# Altium PCB Archimajor.PcbDoc (part 9 of 13) (continued)
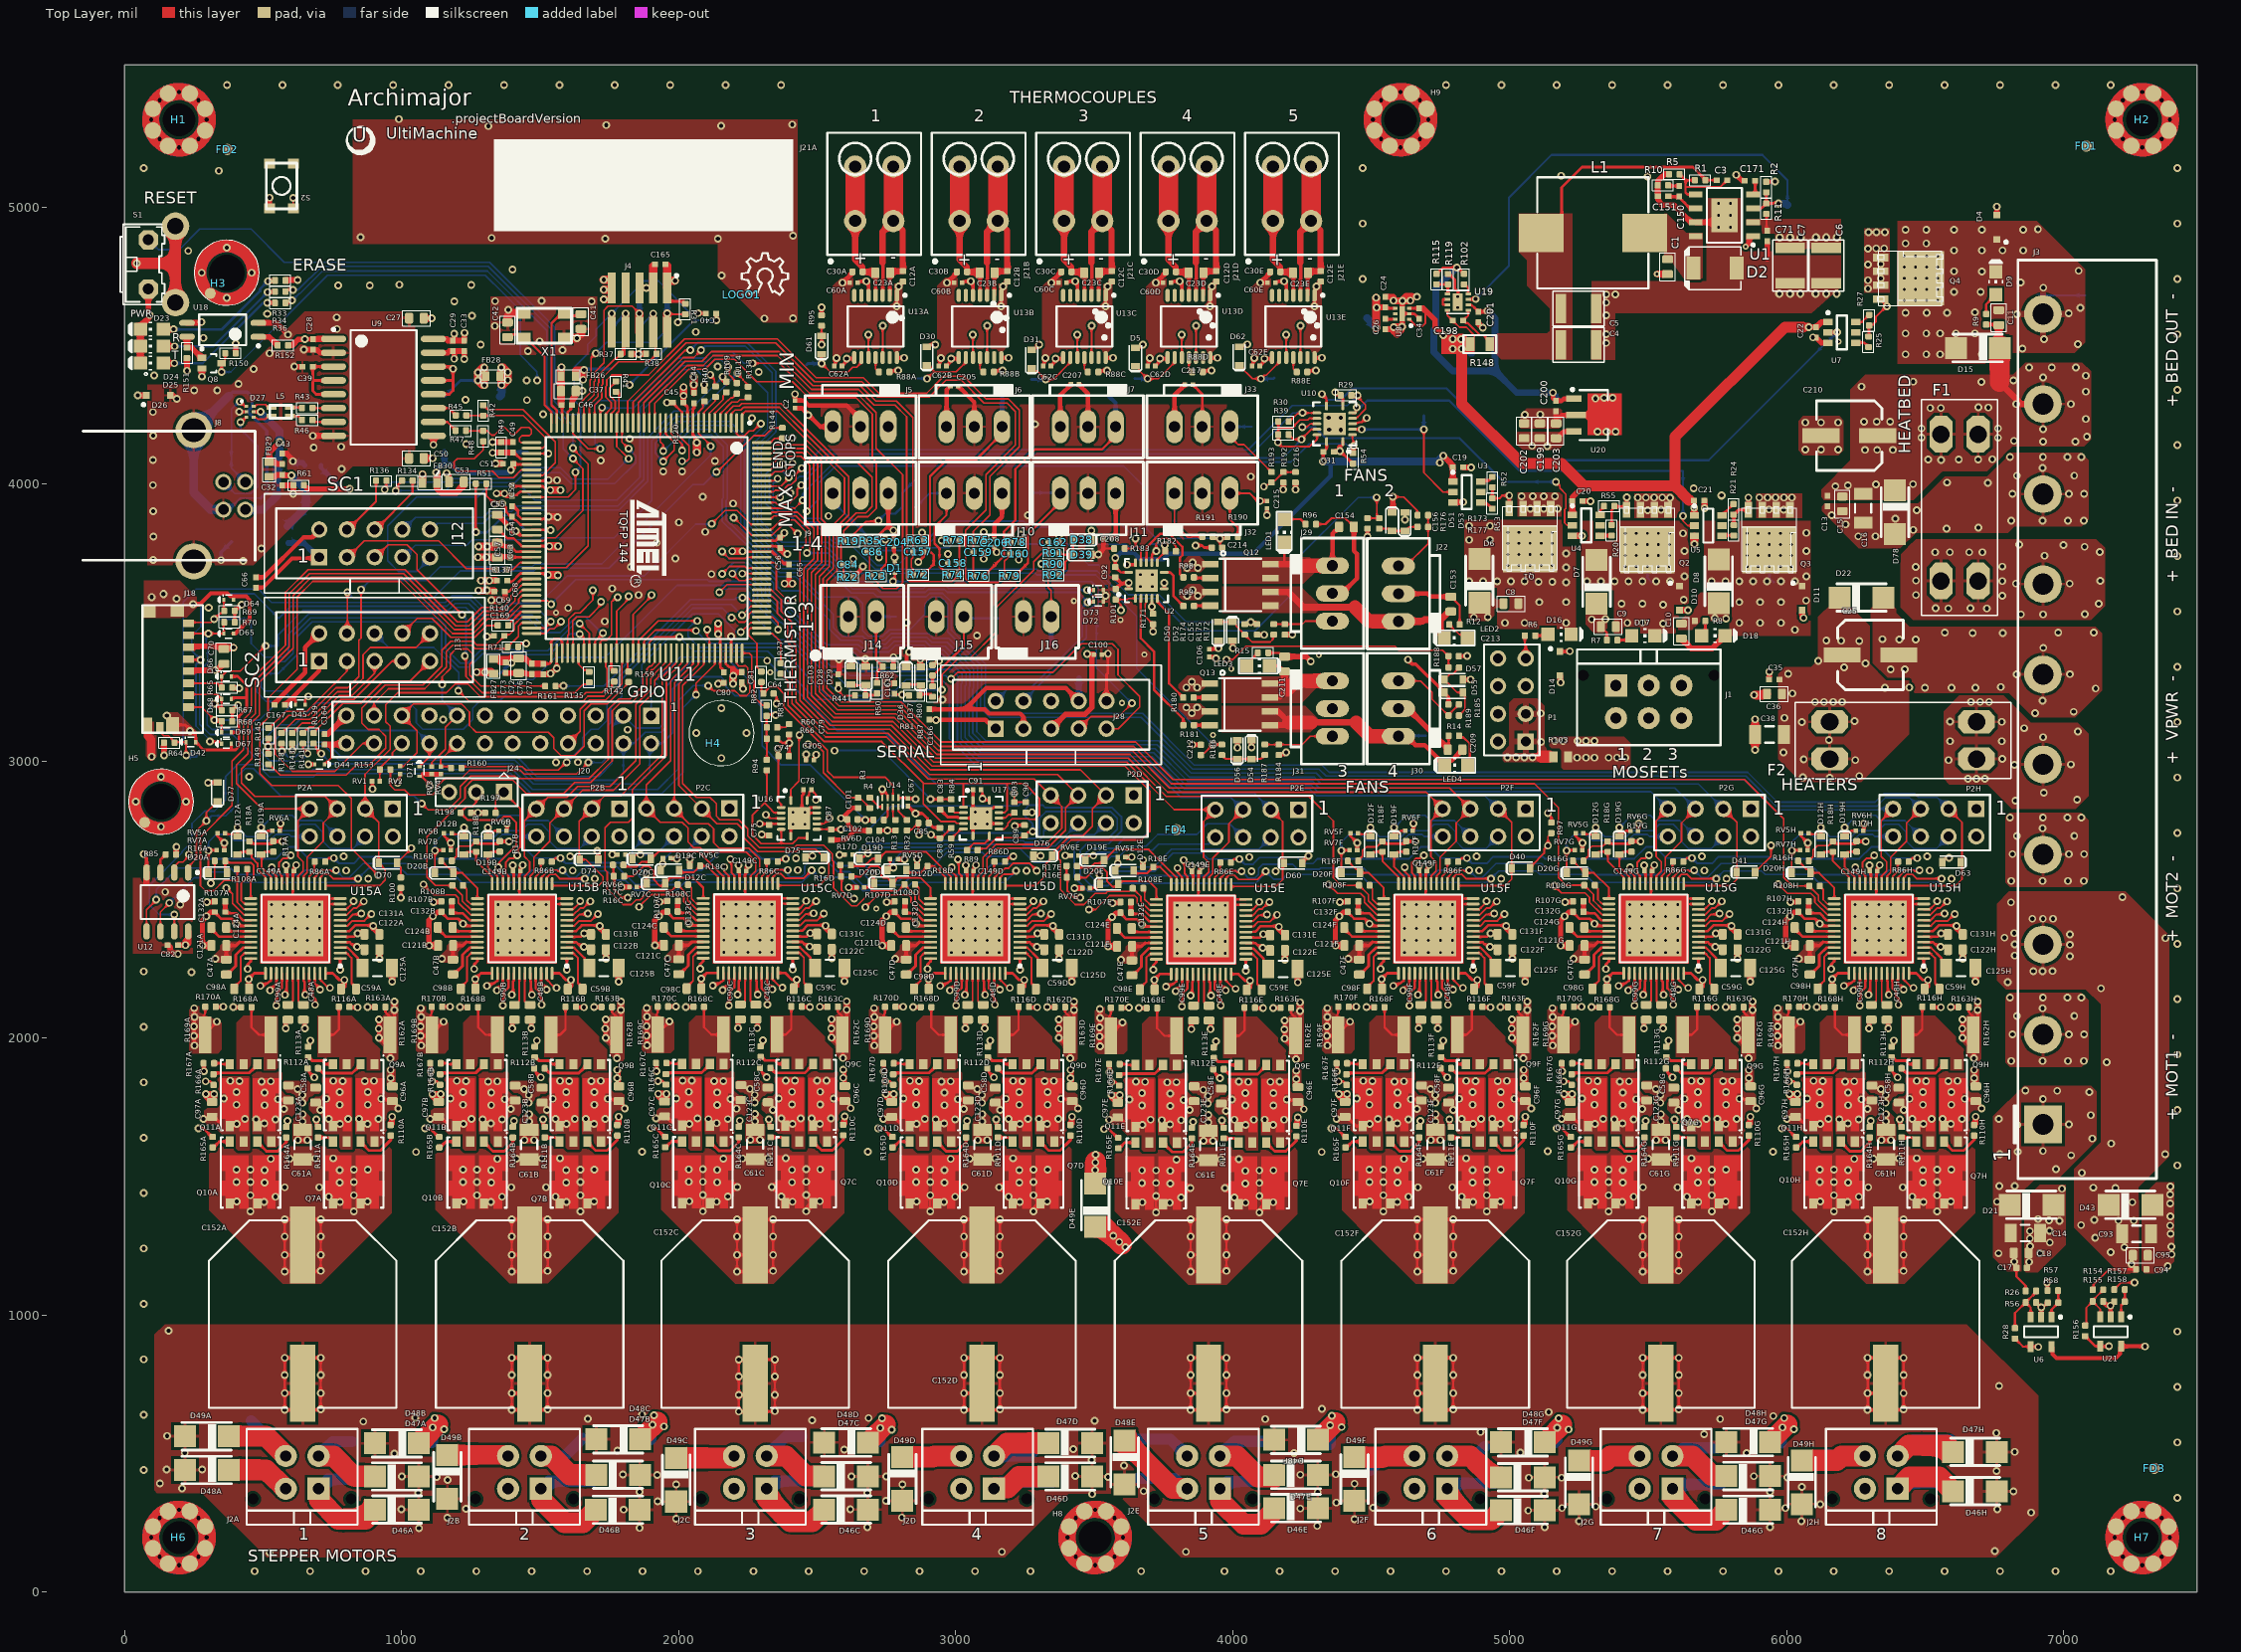
[diagram p0: Top Layer view]
## Nets (pads, with @x,y where several pads share a name; then routed paths per layer and width w, separated by ;. In a path a pad name is that pad's centre, name@x,y a point inside that pad or via, vN(x,y) a via of type N, cw(c..) or ccw(c..) an arc to the next point about the centre after c; other vN are vias at no path point) (continued)
  Bottom Layer w40: TP34H.1@5980.26,537.42 5980.26,589.45 v1(5984.56,593.75)
  other v1: 6025.9,587.51 5990.8,628.07 6121.12,1689.37
OBAA: C59A.2 C96A.2 D47A.K J2A.2 Q7A.1 Q9A.7 TP3A.1 U15A.48 | length 1482.2
  Top Layer w8: v1@847.44,1706.22 865.83,1687.84 876.65,1687.84 v1@876.97,1687.52 ; Q9A.7@852.5,1682.1 857.92,1687.52 v1@876.97,1687.52 ; v1@867.61,1842.85 867.79,1843.03 901.07,1843.03 878.43,1820.39 878.43,1757.22 882.26,1753.39 882.26,1741.28 917.32,1706.22 898.62,1687.52 v1@876.97,1687.52 ; v1@927.01,1778.87 v1@929.07,1776.82 ; v1@930.1,1775.78 v1@929.07,1776.82 ; C96A.2@962.43,1776.82 v1@929.07,1776.82
  Top Layer w9: U15A.48@725.68,2233.68 736.85,2233.68
  Top Layer w10: 736.85,2233.68 751.85,2233.68 776,2209.53 v1(794,2209.53) ; C96A.2@967,1771.76 971.67,1771.76 981.17,1762.25 981.17,1757.58 984.74,1754.01 984.74,1748.92 v1(988.19,1745.47)
  Top Layer w16: C59A.2@782.23,2176.53 794,2188.3 v1(794,2209.53)
  Top Layer w75: J2A.2@700.44,490.94 701.4,489.98 754.9,489.98 826.36,418.52 902.84,418.52 D47A.K@904.84,416.52
  Mid1 w10: v1(794,2209.53) 794,2084.35 906.5,1971.85 983.27,1971.85 1005.91,1949.21 1005.91,1768.11 988.19,1750.39 v1(988.19,1745.47)
  Bottom Layer w40: J2A.2@700.44,490.94 752.38,542.88 TP3A.1@822.12,542.88
  other v1: 876.97,1689.37 847.44,1708.07 917.32,1708.07 878.43,1759.07 927.01,1780.72 878.43,1804.35 867.61,1844.7 901.07,1844.88
OBAB: C59B.2 C96B.2 D47B.K J2B.2 Q7B.1 Q9B.7 TP3B.1 U15B.48 | length 1509.9
  Top Layer w8: v1@1665.35,1706.22 1683.74,1687.84 1694.57,1687.84 v1@1694.88,1687.52 ; Q9B.7@1670.42,1682.1 1675.84,1687.52 v1@1694.88,1687.52 ; v1@1685.52,1842.85 1685.7,1843.03 1718.98,1843.03 1696.35,1820.39 1696.35,1757.22 1700.17,1753.39 1700.17,1741.28 1735.24,1706.22 1716.54,1687.52 v1@1694.88,1687.52 ; v1@1744.92,1778.87 v1@1746.98,1776.82 ; v1@1748.02,1775.78 v1@1746.98,1776.82 ; C96B.2@1780.34,1776.82 v1@1746.98,1776.82
  Top Layer w9: U15B.48@1543.6,2233.68 1554.76,2233.68
  Top Layer w10: 1554.76,2233.68 1569.76,2233.68 1593.91,2209.53 v1(1611.91,2209.53) ; C96B.2@1784.91,1771.76 1789.58,1771.76 1799.09,1762.25 1799.09,1757.58 1802.66,1754.01 1802.66,1748.92 v1(1806.1,1745.47)
  Top Layer w16: C59B.2@1600.14,2176.53 1611.91,2188.3 v1(1611.91,2209.53)
  Top Layer w75: J2B.2@1502.97,490.94 1503.92,489.98 1541.14,489.98 1608.36,422.76 D47B.K@1702.78,422.76
  Mid1 w10: v1(1611.91,2209.53) 1611.91,2084.35 1724.41,1971.85 1801.18,1971.85 1823.82,1949.21 1823.82,1768.11 1806.1,1750.39 v1(1806.1,1745.47)
  Bottom Layer w40: J2B.2@1502.97,490.94 1589.96,490.94 TP3B.1@1654.38,555.36
  other v1: 1694.88,1689.37 1665.35,1708.07 1735.24,1708.07 1696.35,1759.07 1744.92,1780.72 1696.35,1804.35 1685.52,1844.7 1718.98,1844.88
OBAC: C59C.2 C96C.2 D47C.K J2C.2 Q7C.1 Q9C.7 TP3C.1 U15C.48 | length 1500.1
  Top Layer w8: v1@2480.63,1707.18 2499.01,1688.8 2509.84,1688.8 v1@2510.15,1688.48 ; Q9C.7@2485.69,1683.06 2491.11,1688.48 v1@2510.15,1688.48 ; v1@2500.79,1843.81 2500.97,1843.99 2534.26,1843.99 2511.62,1821.35 2511.62,1758.18 2515.44,1754.35 2515.44,1742.24 2550.51,1707.18 2531.81,1688.48 v1@2510.15,1688.48 ; v1@2560.2,1779.83 v1@2562.26,1777.77 ; v1@2563.29,1776.74 v1@2562.26,1777.77 ; C96C.2@2595.61,1777.77 v1@2562.26,1777.77
  Top Layer w9: U15C.48@2358.87,2234.64 2370.03,2234.64
  Top Layer w10: 2370.03,2234.64 2385.03,2234.64 2409.18,2210.49 v1(2427.18,2210.49) ; C96C.2@2600.18,1772.72 2604.86,1772.72 2614.36,1763.21 2614.36,1758.54 2617.93,1754.97 2617.93,1749.88 v1(2621.37,1746.43)
  Top Layer w16: C59C.2@2415.41,2177.49 2427.18,2189.26 v1(2427.18,2210.49)
  Top Layer w75: J2C.2@2318.24,490.94 2388.04,490.94 2459.68,419.3 2524.2,419.3 D47C.K@2526.2,417.3
  Mid1 w10: v1(2427.18,2210.49) 2427.18,2085.31 2539.68,1972.81 2616.45,1972.81 2639.09,1950.17 2639.09,1769.07 2621.37,1751.35 v1(2621.37,1746.43)
  Bottom Layer w40: J2C.2@2318.24,490.94 2388.9,561.6 TP3C.1@2446.86,561.6
  other v1: 2510.15,1690.33 2480.63,1709.03 2550.51,1709.03 2511.62,1760.03 2560.2,1781.68 2511.62,1805.31 2500.79,1845.66 2534.26,1845.84
OBAD: C59D.2 C96D.2 D47D.K J2D.2 Q7D.1 Q9D.7 TP3D.1 U15D.48 | length 1539.8
  Top Layer w8: v1@3301.18,1706.22 3319.57,1687.84 3330.39,1687.84 v1@3330.71,1687.52 ; Q9D.7@3306.24,1682.1 3311.66,1687.52 v1@3330.71,1687.52 ; v1@3321.35,1842.85 3321.53,1843.03 3354.81,1843.03 3332.17,1820.39 3332.17,1757.22 3336,1753.39 3336,1741.28 3371.06,1706.22 3352.36,1687.52 v1@3330.71,1687.52 ; v1@3380.75,1778.87 v1@3382.81,1776.82 ; v1@3383.84,1775.78 v1@3382.81,1776.82 ; C96D.2@3416.17,1776.82 v1@3382.81,1776.82
  Top Layer w9: U15D.48@3179.43,2233.68 3190.59,2233.68
  Top Layer w10: 3190.59,2233.68 3205.59,2233.68 3229.74,2209.53 v1(3247.74,2209.53) ; C96D.2@3420.74,1771.76 3425.41,1771.76 3434.91,1762.25 3434.91,1757.58 3438.48,1754.01 3438.48,1748.92 v1(3441.93,1745.47)
  Top Layer w16: C59D.2@3235.97,2176.53 3247.74,2188.3 v1(3247.74,2209.53)
  Top Layer w75: J2D.2@3138.79,490.94 3185.26,537.41 D47D.K@3335.32,537.41
  Mid1 w10: v1(3247.74,2209.53) 3247.74,2084.35 3360.24,1971.85 3437.01,1971.85 3459.65,1949.21 3459.65,1768.11 3441.93,1750.39 v1(3441.93,1745.47)
  Bottom Layer w40: J2D.2@3138.79,490.94 3264.62,490.94 TP3D.1@3331.38,557.7
  other v1: 3330.71,1689.37 3301.18,1708.07 3371.06,1708.07 3332.17,1759.07 3380.75,1780.72 3332.17,1804.35 3321.35,1844.7 3354.81,1844.88
OBAE: C59E.2 C96E.2 D47E.K J2E.2 Q7E.1 Q9E.7 TP3E.1 U15E.48 | length 1524.2
  Top Layer w8: v1@4116.45,1703.24 4134.84,1684.86 4145.66,1684.86 v1@4145.98,1684.54 ; Q9E.7@4121.51,1679.13 4126.93,1684.54 v1@4145.98,1684.54 ; v1@4136.62,1839.87 4136.8,1840.06 4170.08,1840.06 4147.44,1817.42 4147.44,1754.24 4151.27,1750.42 4151.27,1738.31 4186.33,1703.24 4167.63,1684.54 v1@4145.98,1684.54 ; v1@4196.02,1775.9 v1@4198.08,1773.84 ; v1@4199.11,1772.81 v1@4198.08,1773.84 ; C96E.2@4231.44,1773.84 v1@4198.08,1773.84
  Top Layer w9: U15E.48@3994.7,2230.7 4005.86,2230.7
  Top Layer w10: 4005.86,2230.7 4020.86,2230.7 4045.01,2206.55 v1(4063.01,2206.55) ; C96E.2@4236.01,1768.78 4240.68,1768.78 4250.19,1759.27 4250.19,1754.6 4253.76,1751.03 4253.76,1745.94 v1(4257.2,1742.5)
  Top Layer w16: C59E.2@4051.24,2173.55 4063.01,2185.32 v1(4063.01,2206.55)
  Top Layer w75: J2E.2@3954.07,490.94 3955.02,489.98 4016.08,489.98 4091.45,414.61 4147.64,414.61 D47E.K@4149.64,412.61
  Mid1 w10: v1(4063.01,2206.55) 4063.01,2081.37 4175.51,1968.87 4252.28,1968.87 4274.92,1946.24 4274.92,1765.13 4257.2,1747.42 v1(4257.2,1742.5)
  Bottom Layer w40: J2E.2@3954.07,490.94 4006.79,543.66 TP3E.1@4124.64,543.66
  other v1: 4145.98,1686.39 4116.45,1705.09 4186.33,1705.09 4147.44,1756.09 4196.02,1777.75 4147.44,1801.37 4136.62,1841.72 4170.08,1841.9
OBAF: C59F.2 C96F.2 D47F.K J2F.2 Q7F.1 Q9F.7 TP3F.1 U15F.48 | length 1478.8
  Top Layer w8: v1@4937.01,1706.22 4955.39,1687.84 4966.22,1687.84 v1@4966.54,1687.52 ; Q9F.7@4942.07,1682.1 4947.49,1687.52 v1@4966.54,1687.52 ; v1@4957.17,1842.85 4957.35,1843.03 4990.64,1843.03 4968,1820.39 4968,1757.22 4971.83,1753.39 4971.83,1741.28 5006.89,1706.22 4988.19,1687.52 v1@4966.54,1687.52 ; v1@5016.58,1778.87 v1@5018.64,1776.82 ; v1@5019.67,1775.78 v1@5018.64,1776.82 ; C96F.2@5052,1776.82 v1@5018.64,1776.82
  Top Layer w9: U15F.48@4815.25,2233.68 4826.42,2233.68
  Top Layer w10: 4826.42,2233.68 4841.42,2233.68 4865.57,2209.53 v1(4883.57,2209.53) ; C96F.2@5056.57,1771.76 5061.24,1771.76 5070.74,1762.25 5070.74,1757.58 5074.31,1754.01 5074.31,1748.92 v1(5077.76,1745.47)
  Top Layer w16: C59F.2@4871.79,2176.53 4883.57,2188.3 v1(4883.57,2209.53)
  Top Layer w75: J2F.2@4774.62,490.94 4858.3,490.94 4933.07,416.17 4966.64,416.17 D47F.K@4968.64,414.17
  Mid1 w10: v1(4883.57,2209.53) 4883.57,2084.35 4996.06,1971.85 5072.83,1971.85 5095.47,1949.21 5095.47,1768.11 5077.76,1750.39 v1(5077.76,1745.47)
  Bottom Layer w40: J2F.2@4774.62,490.94 4876.88,490.94 TP3F.1@4910.1,524.16
  other v1: 4966.54,1689.37 4937.01,1708.07 5006.89,1708.07 4968,1759.07 5016.58,1780.72 4968,1804.35 4957.17,1844.7 4990.64,1844.88
OBAG: C59G.2 C96G.2 D47G.K J2G.2 Q7G.1 Q9G.7 TP3G.1 U15G.48 | length 1501.6
  Top Layer w8: v1@5750.01,1706.22 5768.39,1687.84 5779.22,1687.84 v1@5779.54,1687.52 ; Q9G.7@5755.07,1682.1 5760.49,1687.52 v1@5779.54,1687.52 ; v1@5770.17,1842.85 5770.35,1843.03 5803.64,1843.03 5781,1820.39 5781,1757.22 5784.83,1753.39 5784.83,1741.28 5819.89,1706.22 5801.19,1687.52 v1@5779.54,1687.52 ; v1@5829.58,1778.87 v1@5831.64,1776.82 ; v1@5832.67,1775.78 v1@5831.64,1776.82 ; C96G.2@5865,1776.82 v1@5831.64,1776.82
  Top Layer w9: U15G.48@5628.25,2233.68 5639.42,2233.68
  Top Layer w10: 5639.42,2233.68 5654.42,2233.68 5678.57,2209.53 v1(5696.57,2209.53) ; C96G.2@5869.57,1771.76 5874.24,1771.76 5883.74,1762.25 5883.74,1757.58 5887.31,1754.01 5887.31,1748.92 v1(5890.76,1745.47)
  Top Layer w16: C59G.2@5684.79,2176.53 5696.57,2188.3 v1(5696.57,2209.53)
  Top Layer w75: J2G.2@5587.62,490.94 5659.36,490.94 5730.23,420.07 5780.18,420.07 D47G.K@5782.18,418.07
  Mid1 w10: v1(5696.57,2209.53) 5696.57,2084.35 5809.06,1971.85 5885.83,1971.85 5908.47,1949.21 5908.47,1768.11 5890.76,1750.39 v1(5890.76,1745.47)
  Bottom Layer w40: J2G.2@5587.62,490.94 5598.45,490.94 5627.77,520.26 TP3G.1@5748.6,520.26
  other v1: 5779.54,1689.37 5750.01,1708.07 5819.89,1708.07 5781,1759.07 5829.58,1780.72 5781,1804.35 5770.17,1844.7 5803.64,1844.88
OBAH: C59H.2 C96H.2 D47H.K J2H.2 Q7H.1 Q9H.7 TP3H.1 U15H.48 | length 1547.5
  Top Layer w8: v1@6563.01,1706.22 6581.39,1687.84 6592.22,1687.84 v1@6592.54,1687.52 ; Q9H.7@6568.07,1682.1 6573.49,1687.52 v1@6592.54,1687.52 ; v1@6583.17,1842.85 6583.35,1843.03 6616.64,1843.03 6594,1820.39 6594,1757.22 6597.83,1753.39 6597.83,1741.28 6632.89,1706.22 6614.19,1687.52 v1@6592.54,1687.52 ; v1@6642.58,1778.87 v1@6644.64,1776.82 ; v1@6645.67,1775.78 v1@6644.64,1776.82 ; C96H.2@6678,1776.82 v1@6644.64,1776.82
  Top Layer w9: U15H.48@6441.25,2233.68 6452.42,2233.68
  Top Layer w10: 6452.42,2233.68 6467.42,2233.68 6491.57,2209.53 v1(6509.57,2209.53) ; C96H.2@6682.57,1771.76 6687.24,1771.76 6696.74,1762.25 6696.74,1757.58 6700.31,1754.01 6700.31,1748.92 v1(6703.76,1745.47)
  Top Layer w16: C59H.2@6497.79,2176.53 6509.57,2188.3 v1(6509.57,2209.53)
  Top Layer w75: J2H.2@6400.62,490.94 6401.97,490.94 6440.66,529.62 6576.99,529.62 D47H.K@6601.18,505.43
  Mid1 w10: v1(6509.57,2209.53) 6509.57,2084.35 6622.06,1971.85 6698.83,1971.85 6721.47,1949.21 6721.47,1768.11 6703.76,1750.39 v1(6703.76,1745.47)
  Bottom Layer w40: J2H.2@6400.62,490.94 6459.58,549.9 TP3H.1@6593.34,549.9
  other v1: 6592.54,1689.37 6563.01,1708.07 6632.89,1708.07 6594,1759.07 6642.58,1780.72 6594,1804.35 6583.17,1844.7 6616.64,1844.88
OBBA: C48A.2 C58A.2 D46A.K J2A.1 Q7A.3 Q9A.5 TP12A.1 U15A.45 | length 3139.6
  Top Layer w8: v1@730.76,1780.91 731.88,1782.03 750.4,1782.03 v1@776.57,1808.21 ; v1(737.68,1708.07) 737.68,1702.66 741.74,1698.6 741.74,1692.87 Q9A.5@752.5,1682.1 781.6,1682.1 v1(807.57,1708.07) 776.57,1739.06 v1(776.57,1759.07) v1(776.57,1804.35) v1@776.57,1808.21 ; v1(753.94,1844.88) 754.03,1844.79 787.31,1844.79 v1(787.4,1844.7) 787.4,1819.03 v1@776.57,1808.21
  Top Layer w9: C48A.2@646.16,2065.76 651,2060.92 651,2039.21 646.31,2034.53 v1(651,2034.53) ; U15A.45@666.63,2233.68 666.63,2179.48 679.26,2166.85 679.26,2150.27 688,2141.53 v1(688,2119.53)
  Top Layer w75: J2A.1@700.44,372.83 702.94,370.33 702.94,332.12 772.2,262.86 870.52,262.86 D46A.K@904.84,297.18
  Mid1 w10: v1(688,2119.53) 669.76,2101.29 669.76,2053.29 v1(651,2034.53) 651,2017.53 645,2011.53 645,1977.57 659,1963.57 659,1843.57 696,1806.57 696,1750.53 v1(707,1739.53) v1@710,1736.53
  Mid1 w100: J2A.1@700.44,372.83 727.73,372.83 964.57,609.67 964.57,1602.76 949.8,1617.52 807.09,1617.52 772.64,1651.97 v1@772.64,1807.48
  Bottom Layer w40: J2A.1@700.44,372.83 734.77,407.16 TP12A.1@882.96,407.16
  other v1: 778.04,1689.37 728,1780.72
OBBB: C48B.2 C58B.2 D46B.K J2B.1 Q7B.3 Q9B.5 TP12B.1 U15B.45 | length 3155.5
  Top Layer w8: v1@1548.67,1780.91 1549.79,1782.03 1568.31,1782.03 v1@1594.49,1808.21 ; v1(1555.6,1708.07) 1555.6,1702.66 1559.65,1698.6 1559.65,1692.87 Q9B.5@1570.42,1682.1 1599.51,1682.1 v1(1625.48,1708.07) 1594.49,1739.06 v1(1594.49,1759.07) v1(1594.49,1804.35) v1@1594.49,1808.21 ; v1(1571.85,1844.88) 1571.94,1844.79 1605.22,1844.79 v1(1605.31,1844.7) 1605.31,1819.03 v1@1594.49,1808.21
  Top Layer w9: C48B.2@1464.07,2065.76 1468.91,2060.92 1468.91,2039.21 1464.23,2034.53 v1(1468.91,2034.53) ; U15B.45@1484.54,2233.68 1484.54,2179.48 1497.17,2166.85 1497.17,2150.27 1505.91,2141.53 v1(1505.91,2119.53)
  Top Layer w75: J2B.1@1502.97,372.83 1505.47,370.33 1505.47,332.21 1588.08,249.6 1655.2,249.6 D46B.K@1702,296.4
  Mid1 w10: v1(1505.91,2119.53) 1487.67,2101.29 1487.67,2053.29 v1(1468.91,2034.53) 1468.91,2017.53 1462.91,2011.53 1462.91,1977.57 1476.91,1963.57 1476.91,1843.57 1513.91,1806.57 1513.91,1750.53 v1(1524.91,1739.53) v1@1527.91,1736.53
  Mid1 w100: J2B.1@1502.97,372.83 1530.35,372.83 1782.48,624.96 1782.48,1602.76 1767.72,1617.52 1625,1617.52 1590.55,1651.97 v1@1590.55,1807.48
  Bottom Layer w40: J2B.1@1502.97,372.83 1530.28,400.14 TP12B.1@1692.6,400.14
  other v1: 1595.95,1689.37 1545.91,1780.72
OBBC: C48C.2 C58C.2 D46C.K J2C.1 Q7C.3 Q9C.5 TP12C.1 U15C.45 | length 3167.9
  Top Layer w8: v1@2363.94,1781.86 2365.07,1782.99 2383.58,1782.99 v1@2409.76,1809.16 ; v1(2370.87,1709.03) 2370.87,1703.62 2374.92,1699.56 2374.92,1693.83 Q9C.5@2385.69,1683.06 2414.78,1683.06 v1(2440.75,1709.03) 2409.76,1740.02 v1(2409.76,1760.03) v1(2409.76,1805.31) v1@2409.76,1809.16 ; v1(2387.12,1845.84) 2387.21,1845.75 2420.5,1845.75 v1(2420.59,1845.66) 2420.59,1819.99 v1@2409.76,1809.16
  Top Layer w9: C48C.2@2279.34,2066.72 2284.18,2061.88 2284.18,2040.17 2279.5,2035.49 v1(2284.18,2035.49) ; U15C.45@2299.81,2234.64 2299.81,2180.44 2312.44,2167.81 2312.44,2151.23 2321.18,2142.49 v1(2321.18,2120.49)
  Top Layer w75: J2C.1@2318.24,372.83 2320.74,370.33 2320.74,336.72 2403.96,253.5 2482.27,253.5 D46C.K@2526.2,297.43
  Mid1 w10: v1(2321.18,2120.49) 2302.94,2102.25 2302.94,2054.25 v1(2284.18,2035.49) 2284.18,2018.49 2278.18,2012.49 2278.18,1978.53 2292.18,1964.53 2292.18,1844.53 2329.18,1807.53 2329.18,1751.49 v1(2340.18,1740.49) v1@2343.18,1737.49
  Mid1 w100: J2C.1@2318.24,372.83 2343.11,372.83 2597.75,627.47 2597.75,1603.72 2582.99,1618.48 2440.27,1618.48 2405.82,1652.93 v1@2405.82,1808.44
  Bottom Layer w40: J2C.1@2318.24,372.83 2346.33,400.92 TP12C.1@2517.06,400.92
  other v1: 2411.22,1690.33 2361.18,1781.68
OBBD: C48D.2 C58D.2 D46D.K J2D.1 Q7D.3 Q9D.5 TP12D.1 U15D.45 | length 3103.2
  Top Layer w8: v1@3184.5,1780.91 3185.62,1782.03 3204.14,1782.03 v1@3230.31,1808.21 ; v1(3191.42,1708.07) 3191.42,1702.66 3195.48,1698.6 3195.48,1692.87 Q9D.5@3206.24,1682.1 3235.34,1682.1 v1(3261.31,1708.07) 3230.31,1739.06 v1(3230.31,1759.07) v1(3230.31,1804.35) v1@3230.31,1808.21 ; v1(3207.68,1844.88) 3207.77,1844.79 3241.05,1844.79 v1(3241.14,1844.7) 3241.14,1819.03 v1@3230.31,1808.21
  Top Layer w9: C48D.2@3099.9,2065.76 3104.74,2060.92 3104.74,2039.21 3100.05,2034.53 v1(3104.74,2034.53) ; U15D.45@3120.37,2233.68 3120.37,2179.48 3133,2166.85 3133,2150.27 3141.74,2141.53 v1(3141.74,2119.53)
  Top Layer w75: J2D.1@3138.79,372.83 3141.29,375.33 3187.23,375.33 3228.41,416.51 D46D.K@3335.32,416.51
  Mid1 w10: v1(3141.74,2119.53) 3123.5,2101.29 3123.5,2053.29 v1(3104.74,2034.53) 3104.74,2017.53 3098.74,2011.53 3098.74,1977.57 3112.74,1963.57 3112.74,1843.57 3149.74,1806.57 3149.74,1750.53 v1(3160.74,1739.53) v1@3163.74,1736.53
  Mid1 w100: J2D.1@3138.79,372.83 3169.13,372.83 3418.31,622.01 3418.31,1602.76 3403.54,1617.52 3260.83,1617.52 3226.38,1651.97 v1@3226.38,1807.48
  Bottom Layer w40: J2D.1@3138.79,372.83 3162.21,396.24 TP12D.1@3353.22,396.24
  other v1: 3231.78,1689.37 3181.74,1780.72
OBBE: C48E.2 C58E.2 D46E.K J2E.1 Q7E.3 Q9E.5 TP12E.1 U15E.45 | length 3133.7
  Top Layer w8: v1@3999.77,1777.93 4000.89,1779.05 4019.41,1779.05 v1@4045.59,1805.23 ; v1(4006.7,1705.09) 4006.7,1699.68 4010.75,1695.63 4010.75,1689.89 Q9E.5@4021.51,1679.13 4050.61,1679.13 v1(4076.58,1705.09) 4045.59,1736.09 v1(4045.59,1756.09) v1(4045.59,1801.37) v1@4045.59,1805.23 ; v1(4022.95,1841.9) 4023.04,1841.81 4056.32,1841.81 v1(4056.41,1841.72) 4056.41,1816.06 v1@4045.59,1805.23
  Top Layer w9: C48E.2@3915.17,2062.79 3920.01,2057.94 3920.01,2036.24 3915.33,2031.55 v1(3920.01,2031.55) ; U15E.45@3935.64,2230.7 3935.64,2176.5 3948.27,2163.87 3948.27,2147.29 3957.01,2138.55 v1(3957.01,2116.55)
  Top Layer w75: J2E.1@3954.07,372.83 3956.57,370.33 3956.57,327.97 4039.77,244.77 4101.91,244.77 D46E.K@4149.64,292.5
  Mid1 w10: v1(3957.01,2116.55) 3938.77,2098.31 3938.77,2050.31 v1(3920.01,2031.55) 3920.01,2014.55 3914.01,2008.55 3914.01,1974.59 3928.01,1960.59 3928.01,1840.59 3965.01,1803.59 3965.01,1747.55 v1(3976.01,1736.55) v1@3979.01,1733.55
  Mid1 w100: J2E.1@3954.07,372.83 3978.77,372.83 4233.58,627.64 4233.58,1599.78 4218.81,1614.54 4076.1,1614.54 4041.65,1648.99 v1@4041.65,1804.5
  Bottom Layer w40: J2E.1@3954.07,372.83 3980.6,399.36 TP12E.1@4125.42,399.36
  other v1: 4047.05,1686.39 3997.01,1777.75
OBBF: C48F.2 C58F.2 D46F.K J2F.1 Q7F.3 Q9F.5 TP12F.1 U15F.45 | length 3110.4
  Top Layer w8: v1@4820.32,1780.91 4821.45,1782.03 4839.97,1782.03 v1@4866.14,1808.21 ; v1(4827.25,1708.07) 4827.25,1702.66 4831.31,1698.6 4831.31,1692.87 Q9F.5@4842.07,1682.1 4871.16,1682.1 v1(4897.13,1708.07) 4866.14,1739.06 v1(4866.14,1759.07) v1(4866.14,1804.35) v1@4866.14,1808.21 ; v1(4843.5,1844.88) 4843.59,1844.79 4876.88,1844.79 v1(4876.97,1844.7) 4876.97,1819.03 v1@4866.14,1808.21
  Top Layer w9: C48F.2@4735.72,2065.76 4740.57,2060.92 4740.57,2039.21 4735.88,2034.53 v1(4740.57,2034.53) ; U15F.45@4756.2,2233.68 4756.2,2179.48 4768.83,2166.85 4768.83,2150.27 4777.57,2141.53 v1(4777.57,2119.53)
  Top Layer w75: J2F.1@4774.62,372.83 4777.12,370.33 4777.12,342.27 4859.65,259.74 4933.55,259.74 D46F.K@4968.64,294.83
  Mid1 w10: v1(4777.57,2119.53) 4759.33,2101.29 4759.33,2053.29 v1(4740.57,2034.53) 4740.57,2017.53 4734.57,2011.53 4734.57,1977.57 4748.57,1963.57 4748.57,1843.57 4785.57,1806.57 4785.57,1750.53 v1(4796.57,1739.53) v1@4799.57,1736.53
  Mid1 w100: J2F.1@4774.62,372.83 4798.55,372.83 5054.13,628.41 5054.13,1602.76 5039.37,1617.52 4896.65,1617.52 4862.2,1651.97 v1@4862.2,1807.48
  Bottom Layer w40: J2F.1@4774.62,372.83 4794.13,392.34 TP12F.1@4944.42,392.34
  other v1: 4867.61,1689.37 4817.56,1780.72
OBBG: C48G.2 C58G.2 D46G.K J2G.1 Q7G.3 Q9G.5 TP12G.1 U15G.45 | length 3116
  Top Layer w8: v1@5633.32,1780.91 5634.45,1782.03 5652.97,1782.03 v1@5679.14,1808.21 ; v1(5640.25,1708.07) 5640.25,1702.66 5644.31,1698.6 5644.31,1692.87 Q9G.5@5655.07,1682.1 5684.16,1682.1 v1(5710.13,1708.07) 5679.14,1739.06 v1(5679.14,1759.07) v1(5679.14,1804.35) v1@5679.14,1808.21 ; v1(5656.5,1844.88) 5656.59,1844.79 5689.88,1844.79 v1(5689.97,1844.7) 5689.97,1819.03 v1@5679.14,1808.21
  Top Layer w9: C48G.2@5548.72,2065.76 5553.57,2060.92 5553.57,2039.21 5548.88,2034.53 v1(5553.57,2034.53) ; U15G.45@5569.2,2233.68 5569.2,2179.48 5581.83,2166.85 5581.83,2150.27 5590.57,2141.53 v1(5590.57,2119.53)
  Top Layer w75: J2G.1@5587.62,372.83 5590.12,370.33 5590.12,340.22 5672.16,258.18 5743.97,258.18 D46G.K@5782.18,296.39
  Mid1 w10: v1(5590.57,2119.53) 5572.33,2101.29 5572.33,2053.29 v1(5553.57,2034.53) 5553.57,2017.53 5547.57,2011.53 5547.57,1977.57 5561.57,1963.57 5561.57,1843.57 5598.57,1806.57 5598.57,1750.53 v1(5609.57,1739.53) v1@5612.57,1736.53
  Mid1 w100: J2G.1@5587.62,372.83 5611.31,372.83 5867.13,628.65 5867.13,1602.76 5852.37,1617.52 5709.65,1617.52 5675.2,1651.97 v1@5675.2,1807.48
  Bottom Layer w40: J2G.1@5587.62,372.83 5603.23,388.44 TP12G.1@5761.08,388.44
  other v1: 5680.61,1689.37 5630.56,1780.72
OBBH: C48H.2 C58H.2 D46H.K J2H.1 Q7H.3 Q9H.5 TP12H.1 U15H.45 | length 3102.8
  Top Layer w8: v1@6446.32,1780.91 6447.45,1782.03 6465.97,1782.03 v1@6492.14,1808.21 ; v1(6453.25,1708.07) 6453.25,1702.66 6457.31,1698.6 6457.31,1692.87 Q9H.5@6468.07,1682.1 6497.16,1682.1 v1(6523.13,1708.07) 6492.14,1739.06 v1(6492.14,1759.07) v1(6492.14,1804.35) v1@6492.14,1808.21 ; v1(6469.5,1844.88) 6469.59,1844.79 6502.88,1844.79 v1(6502.97,1844.7) 6502.97,1819.03 v1@6492.14,1808.21
  Top Layer w9: C48H.2@6361.72,2065.76 6366.57,2060.92 6366.57,2039.21 6361.88,2034.53 v1(6366.57,2034.53) ; U15H.45@6382.2,2233.68 6382.2,2179.48 6394.83,2166.85 6394.83,2150.27 6403.57,2141.53 v1(6403.57,2119.53)
  Top Layer w75: J2H.1@6400.62,372.83 6442.75,414.96 6549.69,414.96 D46H.K@6601.18,363.47
  Mid1 w10: v1(6403.57,2119.53) 6385.33,2101.29 6385.33,2053.29 v1(6366.57,2034.53) 6366.57,2017.53 6360.57,2011.53 6360.57,1977.57 6374.57,1963.57 6374.57,1843.57 6411.57,1806.57 6411.57,1750.53 v1(6422.57,1739.53) v1@6425.57,1736.53
  Mid1 w100: J2H.1@6400.62,372.83 6424.07,372.83 6680.13,628.89 6680.13,1602.76 6665.37,1617.52 6522.65,1617.52 6488.2,1651.97 v1@6488.2,1807.48
  Bottom Layer w40: J2H.1@6400.62,372.83 6421.69,393.9 TP12H.1@6594.9,393.9
  other v1: 6493.61,1689.37 6443.56,1780.72
PA0_CANTX0: R134.1 U11.23 | length 1157.8
  Top Layer w6: v3@979.25,3975.27 v3(979,3975.53) 988,3984.53 988,3997.43 R134.1@1002.1,4011.53 ; U11.23@1796.42,4219.98 1796,4219.57 1796,4151.17 v1(1820.07,4127.1)
  Mid1 w6: v3(979,3975.53) v3@979,3982
  Bottom Layer w6: v3@979.63,3975.61 1159.08,3975.61 1188,4004.53 1409.52,4004.53 1445.52,4040.53 1572.2,4040.53 1612.2,4000.53 1769.52,4000.53 1846,4077.01 1846,4101.17 v1(1820.07,4127.1)
PA1_CANRX0: R41.1 R136.1 U11.24 | length 1261.3
  Top Layer w6: v3(939.19,3979.33) 945.9,3986.03 R136.1@945.9,4011.53 ; R41.1@1785,4334.53 1785.34,4334.19 1785.34,4262.86 1776.85,4254.38 1776.85,4220.1 U11.24@1776.73,4219.98 1776.73,4135.09 1809.72,4102.1 1810.08,4102.1 1820,4092.18 v1(1820,4091.01)
  Bottom Layer w6: v3(939.19,3979.33) 959.94,4000.07 ; 959.97,4000.14 966.84,4007.01 1168.48,4007.01 1180,4018.53 1403.52,4018.53 1443.52,4058.53 1574,4058.53 1615,4017.53 1744.78,4017.53 1818.26,4091.01 v1(1820,4091.01)
PA3_AD2: R142.1 U11.84 | length 66.1
  Top Layer w8: U11.84@1757.05,3389.28 1757.05,3327.38 R142.1@1760,3324.43
PA5_PWM: R41.2 U11.25 | length 183.4
  Top Layer w6: U11.25@1757.05,4219.98 1757.05,4253.32 1762.85,4259.13 1762.85,4260.18 1771.34,4268.66 1771.34,4299.31 1751.09,4319.55 1751.09,4345.51 1754.81,4349.22 1754.81,4349.71 1775.62,4370.53 R41.2@1784,4370.53
PA8_URXD: D73.C J28.4 U11.27 | length 3156.3
  Top Layer w6: U11.27@1717.68,4219.98 1717.68,4269.46 v1(1723.85,4275.64) ; v1(3474.68,3616.8) D73.C@3498.31,3616.77
  Bottom Layer w6: v1(1723.85,4275.64) 1722.17,4275.64 1724.14,4273.67 1837.98,4273.67 2004.86,4440.55 2101.32,4440.55 2123.96,4463.19 2188.48,4463.19 2322,4329.66 2322,4197.65 2270.61,4146.26 2270.61,3853.29 2338.42,3785.47 2338.42,3765.93 2367.83,3736.51 2367.83,3736.26 2382.48,3721.62 2547.32,3721.62 2634.93,3634.01 2721.31,3634.01 2732.68,3622.64 2884.73,3622.64 2895.62,3633.53 2964.38,3633.53 2975.27,3622.64 3448.32,3622.64 3454.16,3616.8 v1(3474.68,3616.8) 3501.65,3589.83 3501.65,3563.1 3472.86,3534.31 3472.86,3444.55 3472.89,3444.52 J28.4@3244.76,3216.39
PA9_UTXD: D72.C J28.2 U11.2 | length 2451.6
  Top Layer w6: U11.2@2209.8,4219.98 2209.8,4181.06 2217.32,4173.55 2237.09,4173.55 2255.03,4191.5 2269.97,4191.5 2295.48,4217.01 v1(2297,4217.01) ; v1(3476.65,3573.46) 3496.34,3573.46 D72.C@3498.31,3575.43
  Bottom Layer w6: v1(2297,4217.01) 2297,4199.22 2256.61,4158.83 2256.61,3847.49 2324.42,3779.68 2324.42,3760.13 2353.83,3730.71 2353.83,3730.46 2376.68,3707.62 2541.52,3707.62 2629.13,3620.01 2715.51,3620.01 2726.88,3608.64 2890.53,3608.64 2901.42,3619.53 2958.58,3619.53 2969.47,3608.64 3441.47,3608.64 v1(3476.65,3573.46) 3457.4,3554.2 3457.4,3448.82 3271.62,3263.04 3191.42,3263.04 J28.2@3144.76,3216.39
PA12_RXD1: R133.2 U11.5 | length 148.8
  Top Layer w6: U11.5@2150.75,4219.98 2150.75,4253.55 2192.31,4295.11 2213.3,4295.11 2222.2,4304.01 2223.98,4304.01 2224.5,4304.53 2238.52,4304.53 R133.2@2243,4309.01
PA13_TXD1: R114.2 U11.6 | length 143.4
  Top Layer w6: U11.6@2131.06,4219.98 2131.06,4255.01 2178.03,4301.98 2179.38,4301.98 2186.51,4309.11 2186.98,4309.11 2188.88,4311.01 2195,4311.01 R114.2@2210,4326.01
PA14_RTS1: R109.1 U11.7 | length 136.9
  Top Layer w6: U11.7@2111.38,4219.98 2111.38,4255.59 2118.32,4262.53 2118.78,4262.53 2161,4304.75 2161,4319.11 R109.1@2173,4331.11
PA15_CTS1: R120.1 U11.8 | length 111.7
  Top Layer w6: U11.8@2091.69,4219.98 2091.69,4258.7 2132,4299.01 R120.1@2132,4303.53
  Top Layer w8: R120.1@2132,4303.53 2132,4312.01 2134,4314.01 R120.1@2134,4314.11
PA16: R135.2 U11.78 | length 82
  Top Layer w6: U11.78@1638.94,3389.28 1639.3,3388.92 1639.3,3348.8 1659.9,3328.2 R135.2@1672.13,3328.2
PA17_SDA: J20.22 R40.2 U11.9 | length 2897.2
  Top Layer w6: v1(854,3619.01) 854,3443.53 846,3435.53 846,3304.53 805.48,3264.01 763.2,3264.01 663.72,3164.53 593,3164.53 543.78,3115.31 543.78,3025.39 606.53,2962.65 760.12,2962.65 861,3063.53 J20.22@901,3063.53 ; R40.2@2094,4298.01 2087.97,4291.98 2087.97,4276.01 2072.01,4260.05 U11.9@2072.01,4219.98 2072.01,4183 2116,4139.01 v1(2116,4135.53)
  Bottom Layer w6: v1(854,3619.01) 886,3651.01 1089.48,3651.01 1138.73,3700.26 1471.25,3700.26 1482.46,3711.47 1722.94,3711.47 2116,4104.53 v1(2116,4135.53)
PA18_SCL: J20.21 R71.2 U11.70 | length 803.5
  Top Layer w6: J20.21@901,3163.53 901,3208.53 953,3260.53 1080.79,3260.53 1083.8,3260.53 ; 1080.79,3260.48 1083.75,3260.48 1083.8,3260.53 ; R71.2@1383.67,3411.04 R71.2@1383.05,3411.66 ; U11.70@1469.65,3499.51 1434.98,3499.51 1422,3486.53 1422,3450.51 1383.15,3411.66 R71.2@1383.05,3411.66 ; 1083.8,3260.53 1161.8,3338.53 1161.8,3395.53 1184.28,3418.01 1252.79,3418.01 1266.02,3404.77 1376.16,3404.77 R71.2@1383.05,3411.66
PA25_MISO: J20.4 R60.2 R66.2 R83.1 R94.1 R138.1 TP76.1 | length 2505.5
  Top Layer w6: R138.1@567,3062.63 567,3037.53 v1(569,3035.53)
  Top Layer w6.5: R66.2@2317.63,3080.09 R83.1@2317.63,3162.57 2323.23,3168.17 v1@2350.47,3168.17 ; R66.2@2318.32,3080.09 2318.62,3079.79 R94.1@2318.62,3004.31
  Bottom Layer w6: v1(569,3035.53) 591,3013.53 615.94,3013.53 636,3033.59 636,3036.36 653.64,3054.01 722.72,3054.01 773.24,3003.49 1408.75,3003.49 1481.94,2930.29 1772.42,2930.29 TP76.1@1799.21,2957.09 1801,2958.87 J20.4@1801,3063.53 1839,3063.53 1879.53,3104.06 1937.35,3104.06 1957,3123.7 1957,3270.09 2047.52,3360.61 2184.78,3360.61 2292.04,3253.35 2292.04,3223.45 v1(2350.47,3165.03)
PA26_MOSI: C90.1 J20.3 R93.1 R143.2 TP75.1 | length 3377.7
  Top Layer w6: v1@605.67,3037.86 606,3038.19 v1(606,3039.01)
  Top Layer w6.5: v1(3211.61,2882.87) 3212.32,2882.17 R93.1@3212.32,2850.96 3253.46,2850.96 C90.1@3253.66,2850.76
  Top Layer w20: v1@605.67,3037.86 R143.2@605.67,3062.53
  Bottom Layer w6: v1(606,3039.01) 607.48,3039.01 636.48,3068.01 728.52,3068.01 779.04,3017.49 1414.55,3017.49 1487.74,2944.29 1712.6,2944.29 1759.84,2991.54 1759.84,3122.37 J20.3@1801,3163.53 1845.47,3119.06 1931.14,3119.06 1942,3129.92 1942,3255.24 TP75.1@1914.37,3282.87 ; TP75.1@1924.84,3293.34 2006.1,3374.61 2307.48,3374.61 v1(2319.88,3362.2)
  Bottom Layer w6.5: v1(2319.88,3362.2) 2571.85,3110.24 2736.22,3110.24 2930.12,2916.34 3178.15,2916.34 v1(3211.61,2882.87)
PA26_MOSI_D: R77.1 U17.2 U17.5 U17.9 U17.12 | length 1878.3
  Top Layer w6: R77.1@2361.44,3322.51 R77.1@2368.81,3315.13
  Top Layer w6.5: R77.1@2368.81,3315.13 2369.19,3315.13 2377.56,3306.76 2377.56,3306.38 2395.54,3288.41 2395.54,3200.9 2526.55,3069.88 2733.36,3069.88 2884.93,2918.31 3027.56,2918.31 ; 2883.58,2918.31 2883.58,2844.88 2947.58,2780.88 2997.97,2780.88 3003.97,2774.88 3027.45,2774.88 U17.5@3028.32,2774.02 ; U17.2@3028.32,2833.07 3028.32,2917.55 3027.56,2918.31 ; U17.9@3156.72,2754.33 3175.66,2754.33 3188.79,2767.46 3188.79,2775.53 3204.07,2790.81 3226.4,2790.81 3226.7,2791.11 3263.82,2791.11 3265.84,2789.1 3286.07,2789.1 3286.41,2788.76 3302.25,2804.59 3302.25,2865.07 3249.02,2918.31 3186.02,2918.31 ; U17.12@3157.58,2814.25 U17.12@3156.72,2813.39 3176.57,2813.39 3186.02,2822.83 3186.02,2918.31 ; 3027.56,2918.31 3186.02,2918.31